# Allegro board ZDRK-36-DE3-A02-20190729.brd (continued)
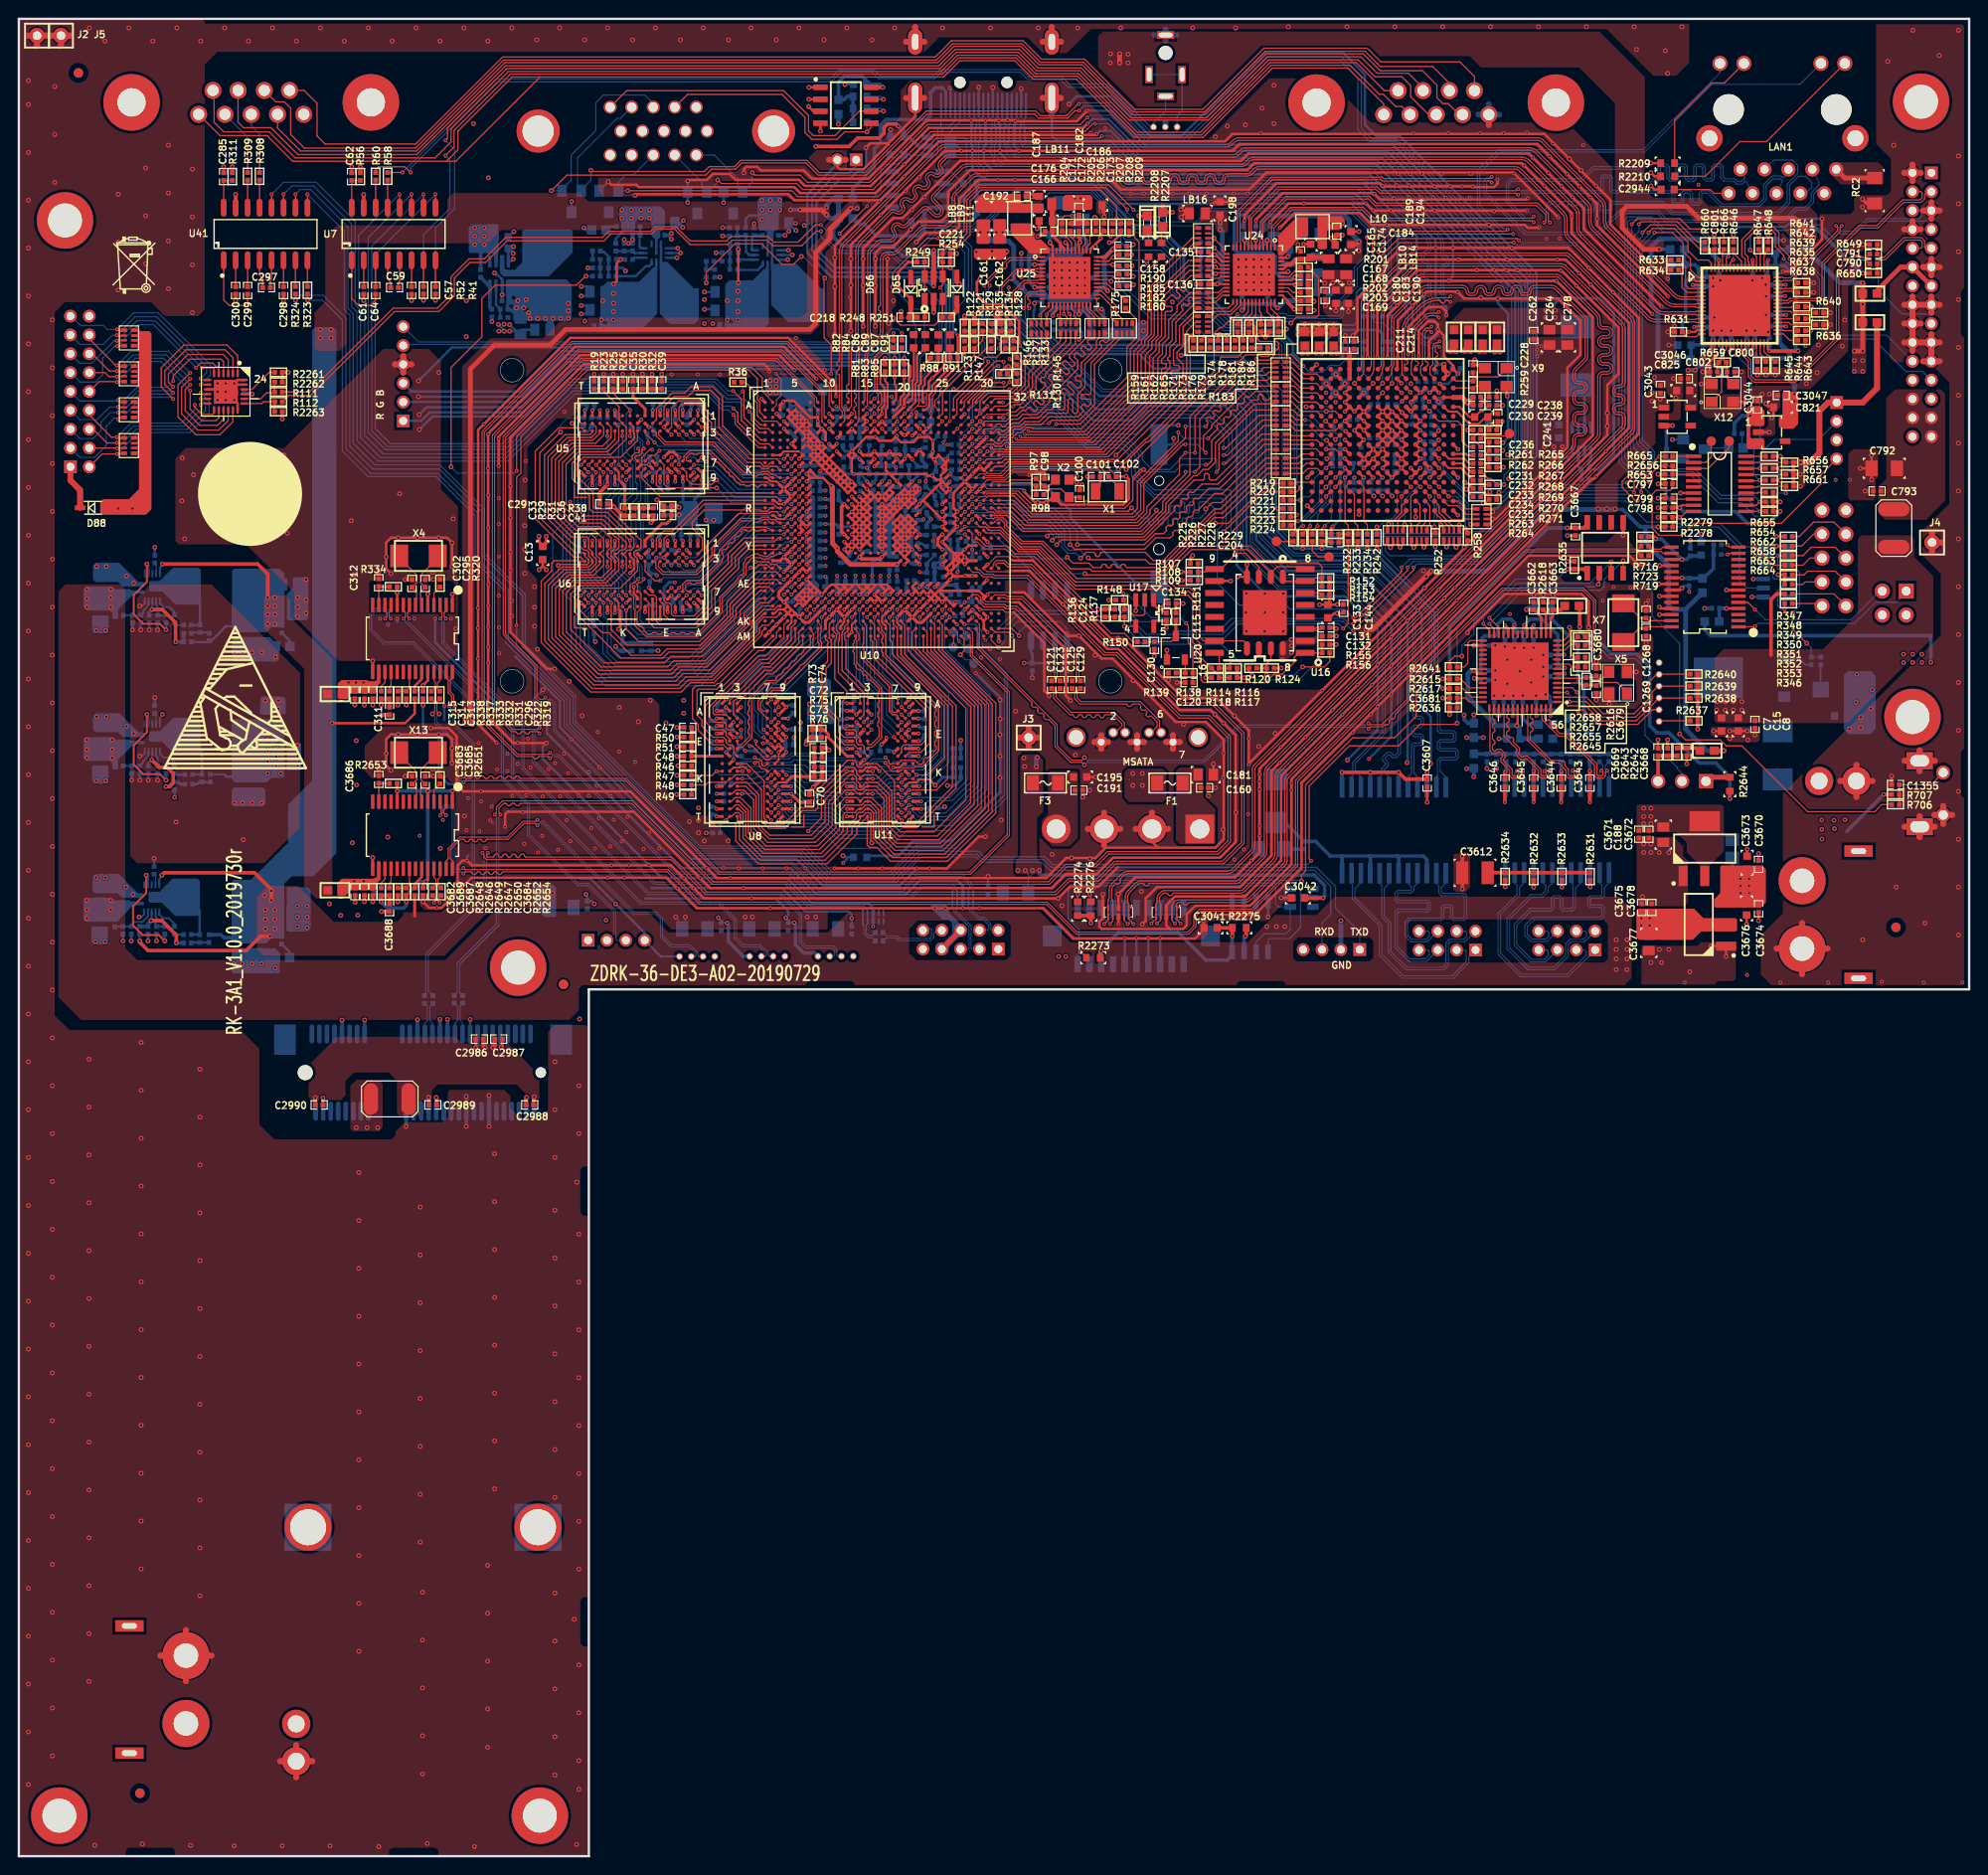
[diagram p0: board, top side]
## Routing (per net, layer and track width the routed paths; a pad name or vN(x,y) marks a point on that pad's centre or on a via; arc(x,y) is an arc through that point) (continued)
DDR0_DQS1_N: length 11.6
  TOP w0.114: U10.M1 79.14,145.57 78.78,145.57 78.51,145.3 78.35,145.3 78.08,145.57 77.71,145.57 77.54,145.4 77.18,145.4 77.01,145.57 76.62,145.57 76.43,145.76 76.27,145.76 76.22,145.76 75.98,146.01 75.98,146.21 75.73,146.46 75.53,146.46 75.41,146.57 75.41,146.77 75.25,146.94 75.11,146.94 74.9,147.15 74.9,147.28 74.23,147.95 74.03,147.95 73.87,148.11 73.87,148.31 73.29,148.9 72.12,148.9 71.98,148.76 71.62,148.76 71.48,148.9 71.31,148.9 70.86,148.45 70.86,148.14 70.94,148.06 U5.B7
DDR0_DQS1_P: length 11.7
  TOP w0.114: U5.C7 70.6,148.19 70.6,148.56 71.2,149.16 73.4,149.16 76.73,145.83 79.3,145.83 U10.M2
DDR0_DQS2_N: length 16.9
  TOP w0.114: U10.U2 79.8,141.49 79.44,141.85 78.98,141.85 78.84,141.71 78.6,141.71 78.47,141.58 78.1,141.58 77.97,141.71 76.72,141.71 73.84,138.84 73.84,137.88 71.98,136.03 68.32,136.03 67.62,136.73 67.62,137.33 67.53,137.42 U6.G3
DDR0_DQS2_P: length 17
  TOP w0.114: U10.U3 80.14,141.85 79.82,141.85 79.55,142.12 78.87,142.12 78.73,141.98 76.61,141.98 73.57,138.95 73.57,137.99 71.87,136.3 68.43,136.3 67.88,136.84 67.88,137.23 U6.F3
DDR0_DQS3_N: length 13.5
  TOP w0.114: U10.V1 79.13,140.78 78.75,140.78 78.61,140.65 78.25,140.65 78.12,140.78 77.75,140.78 77.62,140.65 77.26,140.65 77.13,140.78 76.9,140.78 76.67,140.55 76.67,140.33 76.42,140.09 76.21,140.09 75.97,139.85 75.97,139.63 75.72,139.39 75.51,139.39 75.27,139.15 75.27,138.93 75.02,138.69 74.81,138.69 74.62,138.5 74.62,138.26 74.76,138.12 74.76,137.77 74.62,137.63 74.62,137.35 72.4,135.13 71.91,135.13 71.78,135 71.42,135 71.28,135.13 71.01,135.13 70.74,134.86 70.74,134.47 70.99,134.22 U6.B7
DDR0_DQS3_P: length 13.6
  TOP w0.114: U6.C7 70.47,134.97 70.9,135.4 72.29,135.4 74.35,137.46 74.35,138.61 76.79,141.05 79.3,141.05 U10.V2
DDR0_ODT: length 74.7
  TOP w0.127: R26.2 R25.1 63.09,155.25 v1(64.87,153.47) U5.K1 ; U6.K1 v1(64.87,139.63) 62.26,142.24 60.01,142.24 v1(58.51,143.74) ; U10.AF4 v1(81.21,133.89)
  BOTTOM w0.127: v1(81.21,133.89) 78.21,130.89 78.21,130.05 72.36,124.21 62.2,124.21 58.65,127.76 58.65,133.22 56.68,135.19 56.68,140.4 58.51,142.23 v1(58.51,143.74) ; v1(64.87,139.63) 65,139.76 65,143.51 65.63,144.14 65.63,145.67 65.48,145.82 65.48,147.98 64.48,148.98 64.48,153.08 v1(64.87,153.47)
DDR0_RAS_N: length 60.5
  TOP w0.127: U5.J3 65.67,150.26 63.87,148.46 59.91,148.46 59.27,147.82 59.27,146.42 60.96,144.73 60.96,143.23 61.19,143 62.69,143 66.04,139.66 66.04,138.84 65.81,138.61 65.51,138.61 65.28,138.38 65.28,138.08 65.67,137.69 U6.J3 65.67,136.42 63.83,134.57 59.86,134.57 58.98,133.69 58.98,132.08 63.91,127.15 68.35,127.15 68.98,127.78 72.44,127.78 76.12,131.47 76.12,132.46 78.37,134.7 79.6,134.7 U10.AF2
DDR0_RESET_N: length 66
  TOP w0.127: v2(57.25,136.99) 57.36,137.09 59.83,137.09 59.86,137.06 59.92,137.06 59.92,137.06 60.22,137.06 60.22,137.06 60.26,137.06 60.46,137.27 60.46,137.57 60.07,137.96 U6.T2 59.96,138.33 59.06,138.33 55.3,142.09 55.3,148.95 v2(57.49,151.14) ; U10.AF5 v1(82.01,133.89) ; v1(59.39,152.68) 59.46,152.6 59.46,152.32 59.72,152.06 U5.T2
  BOTTOM w0.102: v2(57.49,151.14) 57.49,151.88 58.19,152.58 59.28,152.58 v1(59.39,152.68)
  BOTTOM w0.127: v2(57.25,136.99) 57.25,135.25 59.16,133.35 59.16,127.89 62.33,124.71 72.24,124.71 77.7,130.18 77.7,131.01 81,134.32 81.59,134.32 v1(82.01,133.89)
  BOTTOM w0.254: C505.1 v1(59.39,152.68) 59.46,152.6 59.46,152.12 59.79,151.79 R414.2
DDR0_WE_N: length 40.4
  TOP w0.127: U5.L3 v1(64.07,150.73) ; U10.AC2 79.77,136.69 79.42,137.05 78.51,137.05 78.21,136.75 v1(77.68,136.75) ; U6.L3 v1(64.07,136.89)
  BOTTOM w0.127: v1(64.07,150.73) 64.07,148.68 65.18,147.57 65.18,144.55 64.43,143.8 64.43,137.24 v1(64.07,136.89) 64.07,136.4 64.87,135.6 64.87,134.17 65.47,133.57 65.47,131.06 66.13,130.39 72.11,130.39 73.59,131.87 73.59,132.67 v1(77.68,136.75)
DDR0_ZQ: length 1.2
  TOP w0.305: U10.M7 v1(83.61,145.09)
  BOTTOM w0.305: R404.1 84.07,145.09 v1(83.61,145.09)
DDR1_A0: length 44.4
  TOP w0.127: v1(76.79,112.75) U8.N3 ; U10.AG20 v1(94.01,133.09) ; v1(90.63,112.75) U11.N3
  BOTTOM w0.127: v1(76.79,112.75) 78.15,112.75 78.95,113.56 80.02,113.56 80.47,114.01 81.16,114.01 81.45,114.3 82.42,114.3 83.79,112.93 87.25,112.93 87.47,113.14 88.13,113.14 88.52,112.75 v1(90.63,112.75) 91.71,112.75 92.52,113.56 93.86,113.56 94.19,113.88 94.87,113.88 95.35,114.36 95.68,114.36 97.92,116.6 97.92,123 93.74,127.19 93.74,130.93 93.88,131.07 93.88,131.81 93.62,132.06 93.62,132.7 v1(94.01,133.09)
DDR1_A1: length 46.2
  TOP w0.127: v1(79.86,111.55) U8.P7 ; v1(93.7,111.55) U11.P7 ; U10.AJ22 v1(95.61,131.49)
  BOTTOM w0.127: v1(79.86,111.55) 80.25,111.94 80.94,111.94 81.64,111.24 81.64,110.97 81.86,110.75 86.23,110.75 87.44,109.55 91.14,109.55 93.14,111.55 v1(93.7,111.55) 93.94,111.55 94.35,111.96 95,111.96 95.41,111.54 95.99,111.54 96.46,112.01 99.06,112.01 101.1,114.05 101.1,122.25 95.61,127.74 v1(95.61,131.49)
DDR1_A2: length 60.1
  TOP w0.127: U10.AL23 96.81,127.94 102.55,122.21 102.55,111.17 98.12,106.74 93,106.74 91.27,108.48 91.27,111.06 90.38,111.95 U11.P3 89.83,111.95 89.43,111.54 87.71,111.54 87.1,110.93 87.1,108.97 84.96,106.84 79.15,106.84 77.42,108.57 77.42,110.99 76.46,111.95 U8.P3
DDR1_A3: length 60.9
  TOP w0.127: U10.AM22 96.01,127.87 101.78,122.1 101.78,111.49 97.8,107.5 93.18,107.5 91.83,108.86 91.83,112.23 90.91,113.14 89.93,113.14 89.54,112.75 U11.N2 89.03,112.75 88.64,113.14 87.78,113.14 86.33,111.7 86.33,109.38 84.56,107.6 79.48,107.6 77.98,109.09 77.98,112.11 76.95,113.14 76.12,113.14 75.72,112.75 U8.N2
DDR1_A4: length 45.8
  TOP w0.127: U10.AG22 v1(95.61,133.09) ; v1(80.66,112.35) U8.P8 ; v1(94.5,112.35) U11.P8
  BOTTOM w0.127: v1(95.61,133.09) 95.22,132.69 95.22,127.57 100.72,122.07 100.72,114.26 98.8,112.34 94.51,112.34 v1(94.5,112.35) 94.32,112.35 93.93,111.96 93.01,111.96 90.98,109.93 87.59,109.93 86.29,111.23 82.63,111.23 82.3,111.56 81.76,111.56 80.96,112.35 v1(80.66,112.35)
DDR1_A5: length 61.1
  TOP w0.127: U10.AL22 96.4,129.9 96.4,127.92 102.16,122.15 102.16,111.33 97.96,107.12 93.13,107.12 91.55,108.71 91.55,111.31 90.51,112.36 89.71,112.36 U11.P2 88.89,112.36 87.74,112.36 86.72,111.33 86.72,109.16 84.78,107.22 79.31,107.22 77.7,108.83 77.7,111.24 76.59,112.36 76.05,112.36 75.64,111.95 U8.P2
DDR1_A6: length 46.9
  TOP w0.127: v1(80.66,111.55) U8.R8 ; v1(94.5,111.55) U11.R8 ; U10.AH23 v1(96.41,132.29)
  BOTTOM w0.127: v1(96.41,132.29) 96.41,127.56 101.48,122.5 101.48,113.83 98.35,110.7 95.64,110.7 94.79,111.55 v1(94.5,111.55) 94.36,111.55 93.95,111.14 93.29,111.14 91.31,109.16 87.28,109.16 86.07,110.37 81.74,110.37 81.33,110.77 81.33,111.04 80.82,111.55 v1(80.66,111.55)
DDR1_A7: length 62.6
  TOP w0.127: U8.R2 75.63,111.15 76.04,111.56 76.43,111.56 77.14,110.84 77.14,108.31 79,106.46 85.17,106.46 87.48,108.76 87.48,110.5 87.74,110.76 88.7,110.76 89.1,111.15 U11.R2 89.48,111.15 89.88,111.56 90.33,111.56 90.99,110.9 90.99,108.25 92.88,106.36 98.27,106.36 102.93,111.01 102.93,122.26 97.2,127.98 97.2,130.7 U10.AK23
DDR1_A8: length 47.3
  TOP w0.127: v1(94.5,110.75) U11.T8 ; U10.AJ24 v1(97.21,131.49) ; v1(80.66,110.75) U8.T8
  BOTTOM w0.127: v1(80.66,110.75) 80.66,110.51 81.56,109.61 85.76,109.61 86.96,108.4 91.63,108.4 93.56,110.33 94.08,110.33 v1(94.5,110.75) 95.31,109.94 98.76,109.94 102.24,113.43 102.24,122.87 97.21,127.89 v1(97.21,131.49)
DDR1_A9: length 60.1
  TOP w0.127: U10.AM24 97.61,128.01 103.31,122.31 103.31,110.86 98.43,105.98 92.75,105.98 90.73,108 90.73,108.01 90.71,108.03 90.71,110.6 90.71,110.76 90.31,111.15 U11.R3 89.9,111.15 89.51,110.77 89.13,110.77 88.91,110.54 88.91,110.2 87.92,109.22 87.92,108.64 85.36,106.07 78.84,106.07 76.87,108.05 76.87,110.1 76.87,110.68 76.4,111.15 U8.R3
DDR1_A10: length 38.7
  TOP w0.127: v1(79.86,114.75) U8.L7 ; U10.AH19 v1(93.21,132.29) ; v1(93.7,114.75) U11.L7
  BOTTOM w0.127: v1(93.21,132.29) 93.21,132.06 93.62,131.65 93.62,131.25 93.29,130.92 93.29,127 97.54,122.75 97.54,116.89 95.93,115.28 94.23,115.28 v1(93.7,114.75) 92.06,114.75 91.25,113.94 90.43,113.94 90.05,114.32 83.56,114.32 82.82,115.06 81.72,115.06 81.64,115.15 80.26,115.15 v1(79.86,114.75)
DDR1_A11: length 48.6
  TOP w0.127: U10.AH24 v1(97.21,132.29) ; U11.R7 v1(93.7,110.75) ; U8.R7 v1(79.86,110.75)
  BOTTOM w0.127: v1(97.21,132.29) 96.82,131.9 96.82,127.73 101.86,122.69 101.86,113.63 98.55,110.32 95.48,110.32 94.66,111.14 94.36,111.14 93.96,110.75 v1(93.7,110.75) 93.43,110.75 91.47,108.78 87.12,108.78 85.92,109.99 81.62,109.99 81.05,110.56 81.05,110.91 80.82,111.14 80.25,111.14 v1(79.86,110.75)
DDR1_A12: length 41.9
  TOP w0.127: v1(93.7,112.35) U11.N7 ; v1(79.86,112.35) U8.N7 ; U10.AH21 v1(94.81,132.29)
  BOTTOM w0.127: v1(94.81,132.29) 94.81,132.07 94.4,131.66 94.4,131.28 94.69,130.99 94.69,127.51 98.68,123.51 98.68,116.04 95.8,113.16 95.41,113.16 94.99,112.74 94.3,112.74 93.91,112.35 v1(93.7,112.35) 92.85,112.35 91.25,110.74 87.53,110.74 86.59,111.68 82.93,111.68 82.26,112.36 81.54,112.36 81.15,112.74 80.25,112.74 v1(79.86,112.35)
DDR1_A13: length 62.6
  TOP w0.127: U10.AK24 98.02,130.69 98.02,128.03 103.69,122.36 103.69,110.7 98.59,105.6 92.52,105.6 91.05,107.06 90.3,107.06 90.04,107.32 90.04,109.3 90.1,109.36 U11.T3 88.95,109.2 88.95,108.49 85.77,105.31 78.52,105.31 76.1,107.74 76.1,109.68 76.26,109.84 U8.T3
DDR1_A14: length 42.1
  TOP w0.127: U8.T7 v1(79.86,109.95) ; U10.AM19 93.61,127.54 99.09,122.06 99.09,113.47 95.16,109.54 94.11,109.54 v1(93.71,109.94) U11.T7
  BOTTOM w0.127: v1(93.71,109.94) 91.79,108.02 86.8,108.02 85.6,109.23 80.58,109.23 v1(79.86,109.95)
DDR1_A15: length 41.5
  TOP w0.127: v1(79.86,113.15) U8.M7 ; U10.AG21 v1(94.81,133.09) ; v1(93.7,113.15) U11.M7
  BOTTOM w0.127: v1(79.86,113.15) 80.05,113.15 80.44,113.54 81.15,113.54 81.55,113.94 82.17,113.94 83.57,112.55 87.25,112.55 87.44,112.36 91.82,112.36 92.61,113.15 v1(93.7,113.15) 93.88,113.15 94.27,113.54 95,113.54 95.4,113.94 95.88,113.94 98.3,116.36 98.3,123.26 94.23,127.33 94.23,130.93 94.14,131.02 94.14,131.79 94.41,132.06 94.41,132.69 v1(94.81,133.09)
DDR1_BA0: length 62
  TOP w0.127: U8.M2 75.67,113.55 76.08,113.96 77.27,113.96 78.54,112.69 78.54,109.48 79.36,108.65 79.4,108.65 79.69,108.36 84.11,108.36 85.57,109.83 85.57,112.14 88.23,114.79 88.59,114.79 88.91,114.48 88.91,114.13 89.3,113.74 U11.M2 89.51,113.55 89.92,113.96 91.12,113.96 92.38,112.69 92.38,109.27 93.38,108.27 97.48,108.27 101.02,111.8 101.02,122 97.92,125.1 94.82,128.2 94.82,129.9 U10.AL21
DDR1_BA1: length 40
  TOP w0.127: U11.N8 v1(94.5,113.15) 97.4,113.15 98.58,114.33 98.58,122.14 93.22,127.5 93.22,130.38 92.81,130.78 U10.AK18 ; v1(80.66,113.15) U8.N8
  BOTTOM w0.127: v1(94.5,113.15) 94.27,113.15 93.86,112.74 92.7,112.74 91.51,111.56 87.48,111.56 86.92,112.11 83.28,112.11 82.24,113.15 v1(80.66,113.15)
DDR1_BA2: length 60.2
  TOP w0.127: U10.AM21 95.21,128.24 101.4,122.05 101.4,111.65 97.64,107.89 93.26,107.89 92.11,109.04 92.11,112.46 91.01,113.55 U11.M3 89.92,113.55 89.53,113.16 89.12,113.16 88.91,113.37 88.91,113.69 88.67,113.92 87.76,113.92 87.26,113.43 87.26,113.2 85.95,111.89 85.95,109.62 84.32,107.98 79.64,107.98 78.26,109.36 78.26,112.46 77.17,113.55 U8.M3
DDR1_CAS_N: length 39.4
  TOP w0.127: U10.AJ18 v1(92.41,131.49) ; U11.K3 v1(90.63,115.15) ; U8.K3 v1(76.79,115.15)
  BOTTOM w0.127: v1(76.79,115.15) 77.27,115.63 78.77,115.63 79.22,116.08 82.02,116.08 82.27,116.33 83.67,116.33 84.3,115.7 88.37,115.7 88.91,115.15 v1(90.63,115.15) 91.11,115.63 92.3,115.63 92.84,116.17 95.51,116.17 96.78,117.44 96.78,122.24 92.51,126.51 92.51,131.4 v1(92.41,131.49)
DDR1_CKE: length 36.7
  TOP w0.127: U10.AK17 92.46,130.65 92.46,129.07 92.69,128.83 92.69,127.59 98.2,122.09 98.2,116.53 96.42,114.75 v1(95.3,114.75) 94.9,115.15 U11.K9 ; v1(81.46,114.75) U8.K9
  BOTTOM w0.127: v1(95.3,114.75) 94.89,114.34 92.2,114.34 91.41,113.56 90.3,113.56 89.91,113.96 87.17,113.96 87.16,113.94 83.38,113.94 82.64,114.68 81.53,114.68 v1(81.46,114.75)
DDR1_CLK0_N: length 41.9
  TOP w0.114: v1(78.13,116.02) 78.24,116.13 78.5,116.13 78.58,116.04 78.58,115.7 78.88,115.4 79.2,115.4 U8.K7 ; U10.AK16 91.57,130.42 91.57,130.11 92,129.68 92,127.53 97.64,121.88 97.64,117.34 95.93,115.63 95.17,115.63 95.05,115.51 93.94,115.51 93.57,115.15 U11.K7 92.68,115.15 92.36,115.48 92.36,115.63 v1(91.97,116.02)
  BOTTOM w0.114: R405.2 76.93,116.18 77.97,116.18 v1(78.13,116.02) 78.29,116.18 78.68,116.18 78.96,116.46 81.76,116.46 82.07,116.76 84.13,116.76 84.59,116.3 88.57,116.3 89.22,115.66 90.21,115.66 90.73,116.18 91.81,116.18 v1(91.97,116.02)
DDR1_CLK0_P: length 41.8
  TOP w0.114: 93.3,115.95 92.68,115.95 92.63,115.9 92.48,115.9 92.34,116.03 92.34,116.23 v1(91.97,116.6) ; 93.3,115.95 U11.J7 ; 93.3,115.95 U11.J7 ; U11.J7 93.66,116.31 95.1,116.31 95.51,115.89 95.82,115.89 96.03,116.1 96.03,116.38 96.24,116.59 96.52,116.59 96.73,116.8 96.73,117.08 96.94,117.29 97.22,117.29 97.38,117.45 97.38,117.76 97.23,117.91 97.23,118.25 97.38,118.4 97.38,118.81 97.23,118.96 97.23,119.33 97.38,119.47 97.38,119.84 97.23,119.99 97.23,120.36 97.38,120.51 97.38,120.87 97.23,121.02 97.23,121.39 97.38,121.54 97.38,121.77 91.73,127.42 91.73,127.68 91.58,127.83 91.58,128.18 91.73,128.33 91.73,128.67 91.58,128.82 91.58,129.17 91.73,129.32 91.73,129.57 91.21,130.08 U10.AL16 ; v1(78.13,116.6) 78.31,116.42 78.62,116.42 78.87,116.17 78.87,115.82 79,115.7 79.2,115.7 U8.J7
  BOTTOM w0.114: v1(91.97,116.6) 91.81,116.45 90.62,116.45 90.1,115.92 89.33,115.92 88.68,116.57 84.7,116.57 84.24,117.03 81.96,117.03 81.65,116.73 78.85,116.73 78.57,116.44 78.29,116.44 v1(78.13,116.6) 77.97,116.44 76.98,116.44 R405.1
DDR1_CS_N: length 65.9
  TOP w0.127: U10.AL20 94.41,127.94 100.51,121.84 100.51,112.09 97.14,108.71 93.57,108.71 92.66,109.62 92.66,113.04 90.95,114.76 89.71,114.76 U11.L2 89.3,114.5 88.91,114.9 88.91,115.28 88.64,115.54 87.75,115.54 84.81,112.6 84.81,111.25 84.53,110.97 83.18,110.97 81.3,109.09 79.6,109.09 78.82,109.88 78.82,113.2 77.27,114.76 76.08,114.76 75.67,114.35 U8.L2 75.08,113.97 73.18,113.97 72.9,113.69 R48.1 R49.2
DDR1_DM0: length 18.6
  TOP w0.127: v1(79.06,119.55) U8.E7 ; U10.AG10 v1(86.01,133.09)
  BOTTOM w0.127: v1(79.06,119.55) 78.92,119.68 78.92,121.42 78.47,121.88 78.47,124.02 79.68,125.24 80.57,125.24 85.62,130.29 85.62,132.7 v1(86.01,133.09)
DDR1_DM1: length 16.4
  TOP w0.127: U10.AJ7 v1(83.61,131.49) ; v1(76.66,120.35) U8.D3
  BOTTOM w0.127: v1(83.61,131.49) 79.63,127.51 78.74,127.51 75.77,124.54 75.77,121.47 76.66,120.59 v1(76.66,120.35)
DDR1_DM2: length 14.6
  TOP w0.127: v1(93.7,119.55) U11.E7 ; U10.AJ15 v1(90.01,131.49)
  BOTTOM w0.127: v1(90.01,131.49) 90.4,131.11 90.4,124.95 92.09,123.25 92.09,121.16 v1(93.7,119.55)
DDR1_DM3: length 15.1
  TOP w0.127: v1(90.5,120.35) U11.D3 ; U10.AG14 v1(89.21,133.09)
  BOTTOM w0.127: v1(89.21,133.09) 88.81,132.69 88.81,130.62 89.26,130.18 89.26,124.39 90.91,122.73 90.91,120.76 v1(90.5,120.35)
DDR1_DQ0: length 16.6
  TOP w0.127: U8.E3 75.85,119.56 75.29,119.56 75.06,119.78 75.06,120.15 74.86,120.35 73.8,120.35 73.25,120.9 73.25,121.93 74.73,123.41 75.05,123.41 78.64,127 79.41,127 81.61,129.2 U10.AM4
DDR1_DQ1: length 20
  TOP w0.127: v1(79.06,118.75) U8.F7 ; U10.AG9 v1(85.21,133.09)
  BOTTOM w0.127: v1(85.21,133.09) 84.81,132.69 84.81,130.75 80.2,126.14 79.31,126.14 77.55,124.38 77.55,121.58 78.01,121.12 78.01,119.44 78.7,118.75 v1(79.06,118.75)
DDR1_DQ2: length 18.7
  TOP w0.127: U8.F2 75.46,118.57 75.06,118.96 75.06,119.26 74.78,119.55 73.71,119.55 72.87,120.39 72.87,122.12 74.44,123.69 74.79,123.69 78.48,127.38 79.25,127.38 81.21,129.34 81.21,130.69 U10.AK4
DDR1_DQ3: length 18.5
  TOP w0.127: v1(79.86,118.75) U8.F8 ; U10.AJ9 v1(85.21,131.49)
  BOTTOM w0.127: v1(85.21,131.49) 85.21,130.51 80.39,125.69 79.5,125.69 78.03,124.22 78.03,121.7 78.47,121.27 78.47,119.56 78.87,119.15 79.46,119.15 v1(79.86,118.75)
DDR1_DQ4: length 21.4
  TOP w0.127: U8.H3 75.89,117.12 75.89,117.75 75.7,117.94 75.32,117.94 75.06,118.2 75.06,118.46 74.78,118.75 73.68,118.75 72.49,119.95 72.49,120.6 71.98,121.1 71.98,123.67 72.16,123.85 74.06,123.85 74.28,124.07 74.63,124.07 78.51,127.95 79.01,127.95 80.43,129.37 80.43,129.91 U10.AL3
DDR1_DQ5: length 23
  TOP w0.127: U8.H8 80.04,116.75 79.64,116.35 79.31,116.35 77.84,117.82 v1(77.6,117.82) ; U10.AH7 v1(83.61,132.29)
  BOTTOM w0.127: v1(77.6,117.82) 77.1,118.32 77.1,120.78 76.21,121.67 76.21,124.31 78.94,127.03 79.83,127.03 84.02,131.23 84.02,131.88 v1(83.61,132.29)
DDR1_DQ6: length 19.6
  TOP w0.127: U8.G2 75.2,117.55 74.8,117.95 73.66,117.95 72.11,119.5 72.11,120.12 71.5,120.72 71.5,123.85 71.88,124.23 73.9,124.23 74.12,124.45 74.34,124.45 78.22,128.33 78.85,128.33 U10.AM2
DDR1_DQ7: length 20.6
  TOP w0.127: U8.H7 78.24,117.97 v1(78.24,118.32) ; U10.AH8 v1(84.41,132.29)
  BOTTOM w0.127: v1(78.24,118.32) 77.55,119.01 77.55,120.94 77.1,121.39 77.1,124.56 79.13,126.59 80.01,126.59 84.41,130.98 v1(84.41,132.29)
DDR1_DQ8: length 18.1
  TOP w0.127: U8.D7 v1(79.86,119.55) ; U10.AH10 v1(86.01,132.29)
  BOTTOM w0.127: v1(86.01,132.29) 86.01,132.06 86.44,131.64 86.44,131.26 86.07,130.89 86.07,130.1 80.76,124.79 79.87,124.79 78.92,123.84 78.92,122.11 79.35,121.68 79.35,120.05 v1(79.86,119.55)
DDR1_DQ9: length 13.2
  TOP w0.127: U8.C3 75.85,121.16 75.85,122.53 79.17,125.85 79.88,125.85 82.8,128.77 82.8,129.88 U10.AL6
DDR1_DQ10: length 17.9
  TOP w0.127: U10.AG11 v1(86.81,133.09) ; U8.C8 80.26,120.75 v1(79.86,120.35)
  BOTTOM w0.127: v1(86.81,133.09) 86.41,132.69 86.41,132.05 86.69,131.77 86.69,131.08 86.5,130.89 86.5,129.89 80.95,124.34 80.06,124.34 79.35,123.64 79.35,122.39 79.86,121.89 v1(79.86,120.35)
DDR1_DQ11: length 16.1
  TOP w0.127: U8.C2 75.06,121.15 73.86,121.15 73.69,121.32 73.69,121.98 74.85,123.13 75.33,123.13 78.81,126.62 79.56,126.62 81.97,129.02 81.97,130.41 82.41,130.85 U10.AK5
DDR1_DQ12: length 15.2
  TOP w0.127: v1(79.86,122.75) U8.A7 ; U10.AG12 v1(87.61,133.09)
  BOTTOM w0.127: v1(79.86,122.75) 79.86,123.54 80.23,123.92 81.12,123.92 86.94,129.74 86.94,131.79 87.21,132.05 87.21,132.69 v1(87.61,133.09)
DDR1_DQ13: length 11.3
  TOP w0.127: U10.AL5 82.41,128.93 79.72,126.24 78.99,126.24 75.46,122.71 75.46,122.59 75.46,122.59 U8.A2
DDR1_DQ14: length 14.6
  TOP w0.127: U8.B8 v1(80.66,121.95)
  TOP w0.305: U10.AH12 v1(87.61,132.29)
  BOTTOM w0.127: v1(87.61,132.29) 87.61,132.07 87.2,131.66 87.2,131.21 87.45,130.96 87.45,129.66 80.66,122.86 v1(80.66,121.95)
DDR1_DQ15: length 10.4
  TOP w0.127: U10.AM6 83.21,128.65 80.04,125.47 79.38,125.47 U8.A3
DDR1_DQ16: length 13.9
  TOP w0.127: U10.AJ13 v1(88.41,131.49) ; v1(90.5,119.55) U11.E3
  BOTTOM w0.127: v1(90.5,119.55) 90.1,119.95 90.1,122.98 88.87,124.21 88.87,130.05 88.41,130.51 v1(88.41,131.49)
DDR1_DQ17: length 16.2
  TOP w0.127: U10.AH14 v1(89.21,132.29) ; v1(92.9,118.75) U11.F7
  BOTTOM w0.127: v1(92.9,118.75) 91.31,120.34 91.31,122.91 89.64,124.58 89.64,130.43 89.21,130.85 v1(89.21,132.29)
DDR1_DQ18: length 14.2
  TOP w0.127: U10.AL10 86.41,130.07 86.79,129.69 86.79,129.25 86.61,129.07 86.61,124.95 87.86,123.7 87.86,122.99 87.43,122.56 87.43,119.8 87.68,119.55 88.7,119.55 88.91,119.34 88.91,118.96 89.3,118.57 U11.F2
DDR1_DQ19: length 16.5
  TOP w0.127: U10.AH15 v1(90.01,132.29) ; v1(93.7,118.75) U11.F8
  BOTTOM w0.127: v1(93.7,118.75) 91.7,120.75 91.7,123.08 90.02,124.76 90.02,130.68 89.61,131.09 89.61,131.89 v1(90.01,132.29)
DDR1_DQ20: length 17.6
  TOP w0.127: U10.AK10 86.02,130.7 86.02,129.29 86.23,129.08 86.23,126.59 85.67,126.03 85.67,122 87.02,120.65 87.02,119.32 87.59,118.75 88.72,118.75 88.91,118.56 88.91,118.17 89.13,117.94 89.54,117.94 89.73,117.75 89.73,117.12 U11.H3
DDR1_DQ21: length 18.7
  TOP w0.127: U10.AK15 90.82,130.68 90.82,129.26 91.03,129.05 91.03,127.4 96.65,121.77 96.65,118.07 95.73,117.15 94.5,117.15 U11.H8
DDR1_DQ22: length 14.7
  TOP w0.127: U11.G2 89.03,117.55 88.63,117.95 87.63,117.95 86.61,118.97 86.61,120.5 85.24,121.87 85.24,126.21 85.85,126.82 85.85,128.94 85.61,129.17 U10.AM9
DDR1_DQ23: length 17.5
  TOP w0.127: U11.H7 93.71,117.16 93.71,117.69 93.96,117.95 95.77,117.95 96.27,118.45 96.27,121.62 90.62,127.27 90.62,128.88 90.41,129.09 U10.AM15
DDR1_DQ24: length 13.5
  TOP w0.127: v1(93.7,120.35) U11.D7 ; U10.AJ16 v1(90.81,131.49)
  BOTTOM w0.127: v1(93.7,120.35) 92.47,121.57 92.47,123.49 90.81,125.15 v1(90.81,131.49)
DDR1_DQ25: length 14.7
  TOP w0.127: U11.C3 v1(89.7,120.35) ; U10.AG13 v1(88.41,133.09)
  BOTTOM w0.127: v1(89.7,120.35) 89.7,122.83 88.02,124.51 88.02,132.7 v1(88.41,133.09)
DDR1_DQ26: length 13.5
  TOP w0.127: v1(93.7,121.15) U11.C8 ; U10.AH16 v1(90.81,132.29)
  BOTTOM w0.127: v1(93.7,121.15) 92.85,121.99 92.85,123.71 91.26,125.3 91.26,131.84 v1(90.81,132.29)
DDR1_DQ27: length 11.7
  TOP w0.127: U10.AK12 88.01,130.86 87.66,130.51 87.66,130.18 87.38,129.9 87.38,125.83 89.72,123.49 89.72,121.17 U11.C2
DDR1_DQ28: length 11.2
  TOP w0.127: v1(93.3,122.88) U11.A7 ; U10.AH17 v1(91.61,132.29)
  BOTTOM w0.127: v1(93.3,122.88) 93.3,123.95 91.68,125.57 91.68,130.8 91.61,130.87 v1(91.61,132.29)
DDR1_DQ29: length 10.1
  TOP w0.127: U11.A2 89.3,123.3 86.99,125.6 86.99,128.91 87.09,129.01 87.09,129.77 86.77,130.1 86.77,130.65 U10.AK11
DDR1_DQ30: length 13.2
  TOP w0.127: v1(93.7,121.95) U11.B8 ; U10.AG18 v1(92.41,133.09)
  BOTTOM w0.127: v1(93.7,121.95) 93.7,124.2 92.08,125.82 92.08,130.9 91.97,131.01 91.97,131.92 92.01,131.95 92.01,132.69 v1(92.41,133.09)
DDR1_DQ31: length 9.1
  TOP w0.127: U10.AL12 88.01,130.1 87.66,129.75 87.66,129.17 87.79,129.05 87.79,126.03 90.1,123.72 U11.A3
DDR1_DQS0_N: length 16.9
  TOP w0.114: U8.G3 76.4,117.7 76.79,117.7 77.8,118.7 77.8,122.8 79.51,124.51 80.37,124.51 84.28,128.42 84.28,129.21 84.37,129.3 84.37,129.63 U10.AL7
DDR1_DQS0_P: length 16.8
  TOP w0.114: U8.F3 76.26,118.07 76.36,117.96 76.68,117.96 77.53,118.81 77.53,119.05 77.4,119.18 77.4,119.55 77.53,119.68 77.53,120.05 77.4,120.18 77.4,120.55 77.53,120.68 77.53,121.04 77.4,121.17 77.4,121.54 77.53,121.67 77.53,122.04 77.4,122.17 77.4,122.54 77.53,122.67 77.53,122.91 79.4,124.78 80.26,124.78 80.39,124.91 80.39,125.01 80.39,125.12 80.66,125.38 80.86,125.38 81.12,125.64 81.12,125.74 81.12,125.84 81.38,126.1 81.58,126.1 81.84,126.36 81.84,126.46 81.84,126.56 82.1,126.82 82.3,126.82 82.56,127.08 82.56,127.18 82.56,127.28 82.82,127.55 83.03,127.55 83.29,127.81 83.29,127.91 83.29,128.01 83.55,128.27 83.75,128.27 84.01,128.53 U10.AM7
DDR1_DQS1_N: length 13.5
  TOP w0.114: U8.B7 79.42,121.51 79.04,121.51 78.71,121.84 78.71,122.46 79.99,123.73 80.87,123.73 85.2,128.06 85.2,128.84 85.08,128.96 85.08,129.96 85.16,130.04 85.16,130.45 U10.AK8
DDR1_DQS1_P: length 13.4
  TOP w0.114: U8.C7 79.43,120.75 78.45,121.73 78.45,122.57 79.88,124 80.76,124 81.36,124.61 81.36,124.7 81.36,124.79 81.62,125.05 81.72,125.05 81.81,125.05 82.87,126.11 82.87,126.29 83.04,126.46 83.13,126.46 83.22,126.46 84.93,128.17 84.93,128.73 84.81,128.85 U10.AL8
DDR1_DQS2_N: length 14.8
  TOP w0.114: U10.AL13 89.16,129.64 89.16,129.14 88.93,128.91 88.93,126.65 91.57,124.02 91.57,118.69 90.58,117.7 90.25,117.7 U11.G3
DDR1_DQS2_P: length 14.7
  TOP w0.114: U11.F3 90.1,118.06 90.19,117.97 90.47,117.97 91.3,118.8 91.3,119.82 91.16,119.96 91.16,120.33 91.3,120.47 91.3,120.83 91.16,120.97 91.16,121.34 91.3,121.48 91.3,121.85 91.16,121.99 91.16,122.36 91.3,122.5 91.3,122.87 91.16,123.01 91.16,123.37 91.3,123.51 91.3,123.91 90.37,124.84 90.19,124.84 90.02,125.01 90.02,125.19 89.86,125.35 89.68,125.35 89.55,125.47 89.55,125.66 89.29,125.92 89.11,125.92 88.85,126.18 88.85,126.36 88.67,126.54 88.67,127.69 88.54,127.82 88.54,127.98 88.67,128.11 88.67,128.31 88.53,128.45 88.53,128.64 88.67,128.78 88.67,129.02 88.81,129.16 U10.AM13
DDR1_DQS3_N: length 11.5
  TOP w0.114: U11.B7 93.16,121.41 92.86,121.41 92.66,121.61 92.66,124.26 89.95,126.96 89.95,130.46 U10.AK14
DDR1_DQS3_P: length 11.4
  TOP w0.114: U11.C7 93.3,121 93.16,121.14 92.75,121.14 92.39,121.5 92.39,124.15 89.68,126.85 89.68,128.13 89.56,128.25 89.56,128.62 89.68,128.74 89.68,130.22 U10.AL14
DDR1_ODT: length 72.6
  TOP w0.127: R46.2 R47.1 73.6,114.71 v1(74.05,115.15) U8.K1 ; U11.K1 v1(87.89,115.15) 87.89,115.09 85.19,112.39 85.19,110.2 v1(83.78,108.79) ; U10.AH25 v1(98.01,132.29)
  BOTTOM w0.127: v1(83.78,108.79) 85.24,108.79 87.07,106.96 92.33,106.96 94.21,108.84 99.16,108.84 103.1,112.78 103.1,123.32 98.27,128.14 98.27,130.99 98.43,131.14 98.43,131.62 98.01,132.03 v1(98.01,132.29) ; v1(74.05,115.15) 74.44,114.76 77.72,114.76 78.03,115.06 78.98,115.06 79.72,115.8 83.44,115.8 84.09,115.15 v1(87.89,115.15)
DDR1_RAS_N: length 59.4
  TOP w0.127: U10.AK19 94.02,130.69 94.02,127.56 99.47,122.11 99.47,113.34 95.29,109.16 93.93,109.16 92.94,110.14 92.94,114.11 91.1,115.95 U11.J3 89.83,115.95 89.44,115.56 89.13,115.56 88.91,115.78 88.91,116.09 88.68,116.32 87.97,116.32 84.43,112.78 84.43,111.51 84.23,111.3 82.96,111.3 81.2,109.55 79.7,109.55 79.1,110.15 79.1,114.11 77.26,115.95 U8.J3
DDR1_RESET_N: length 62.6
  TOP w0.127: v2(90.53,107.53) 90.42,107.64 90.42,110.11 90.45,110.13 90.45,110.2 90.45,110.2 90.45,110.5 90.45,110.5 90.45,110.55 90.25,110.74 89.95,110.74 89.55,110.35 U11.T2 89.3,110.08 88.43,109.21 88.43,108.59 85.54,105.69 78.68,105.69 76.48,107.9 76.48,109.55 76.61,109.68 76.61,110.2 76.61,110.5 76.61,110.51 76.38,110.74 76.05,110.74 75.65,110.35 U8.T2 v1(75.06,109.95) ; U10.AJ25 v1(98.01,131.49)
  BOTTOM w0.127: R407.2 C473.1 74.78,109.95 v1(75.06,109.95) ; v2(90.53,107.53) 92.14,107.53 93.95,109.35 98.91,109.35 102.72,113.16 102.72,123.06 97.76,128.02 97.76,131.24 v1(98.01,131.49)
